# Altium PCB OneBox.PcbDoc (part 11 of 13) (continued)
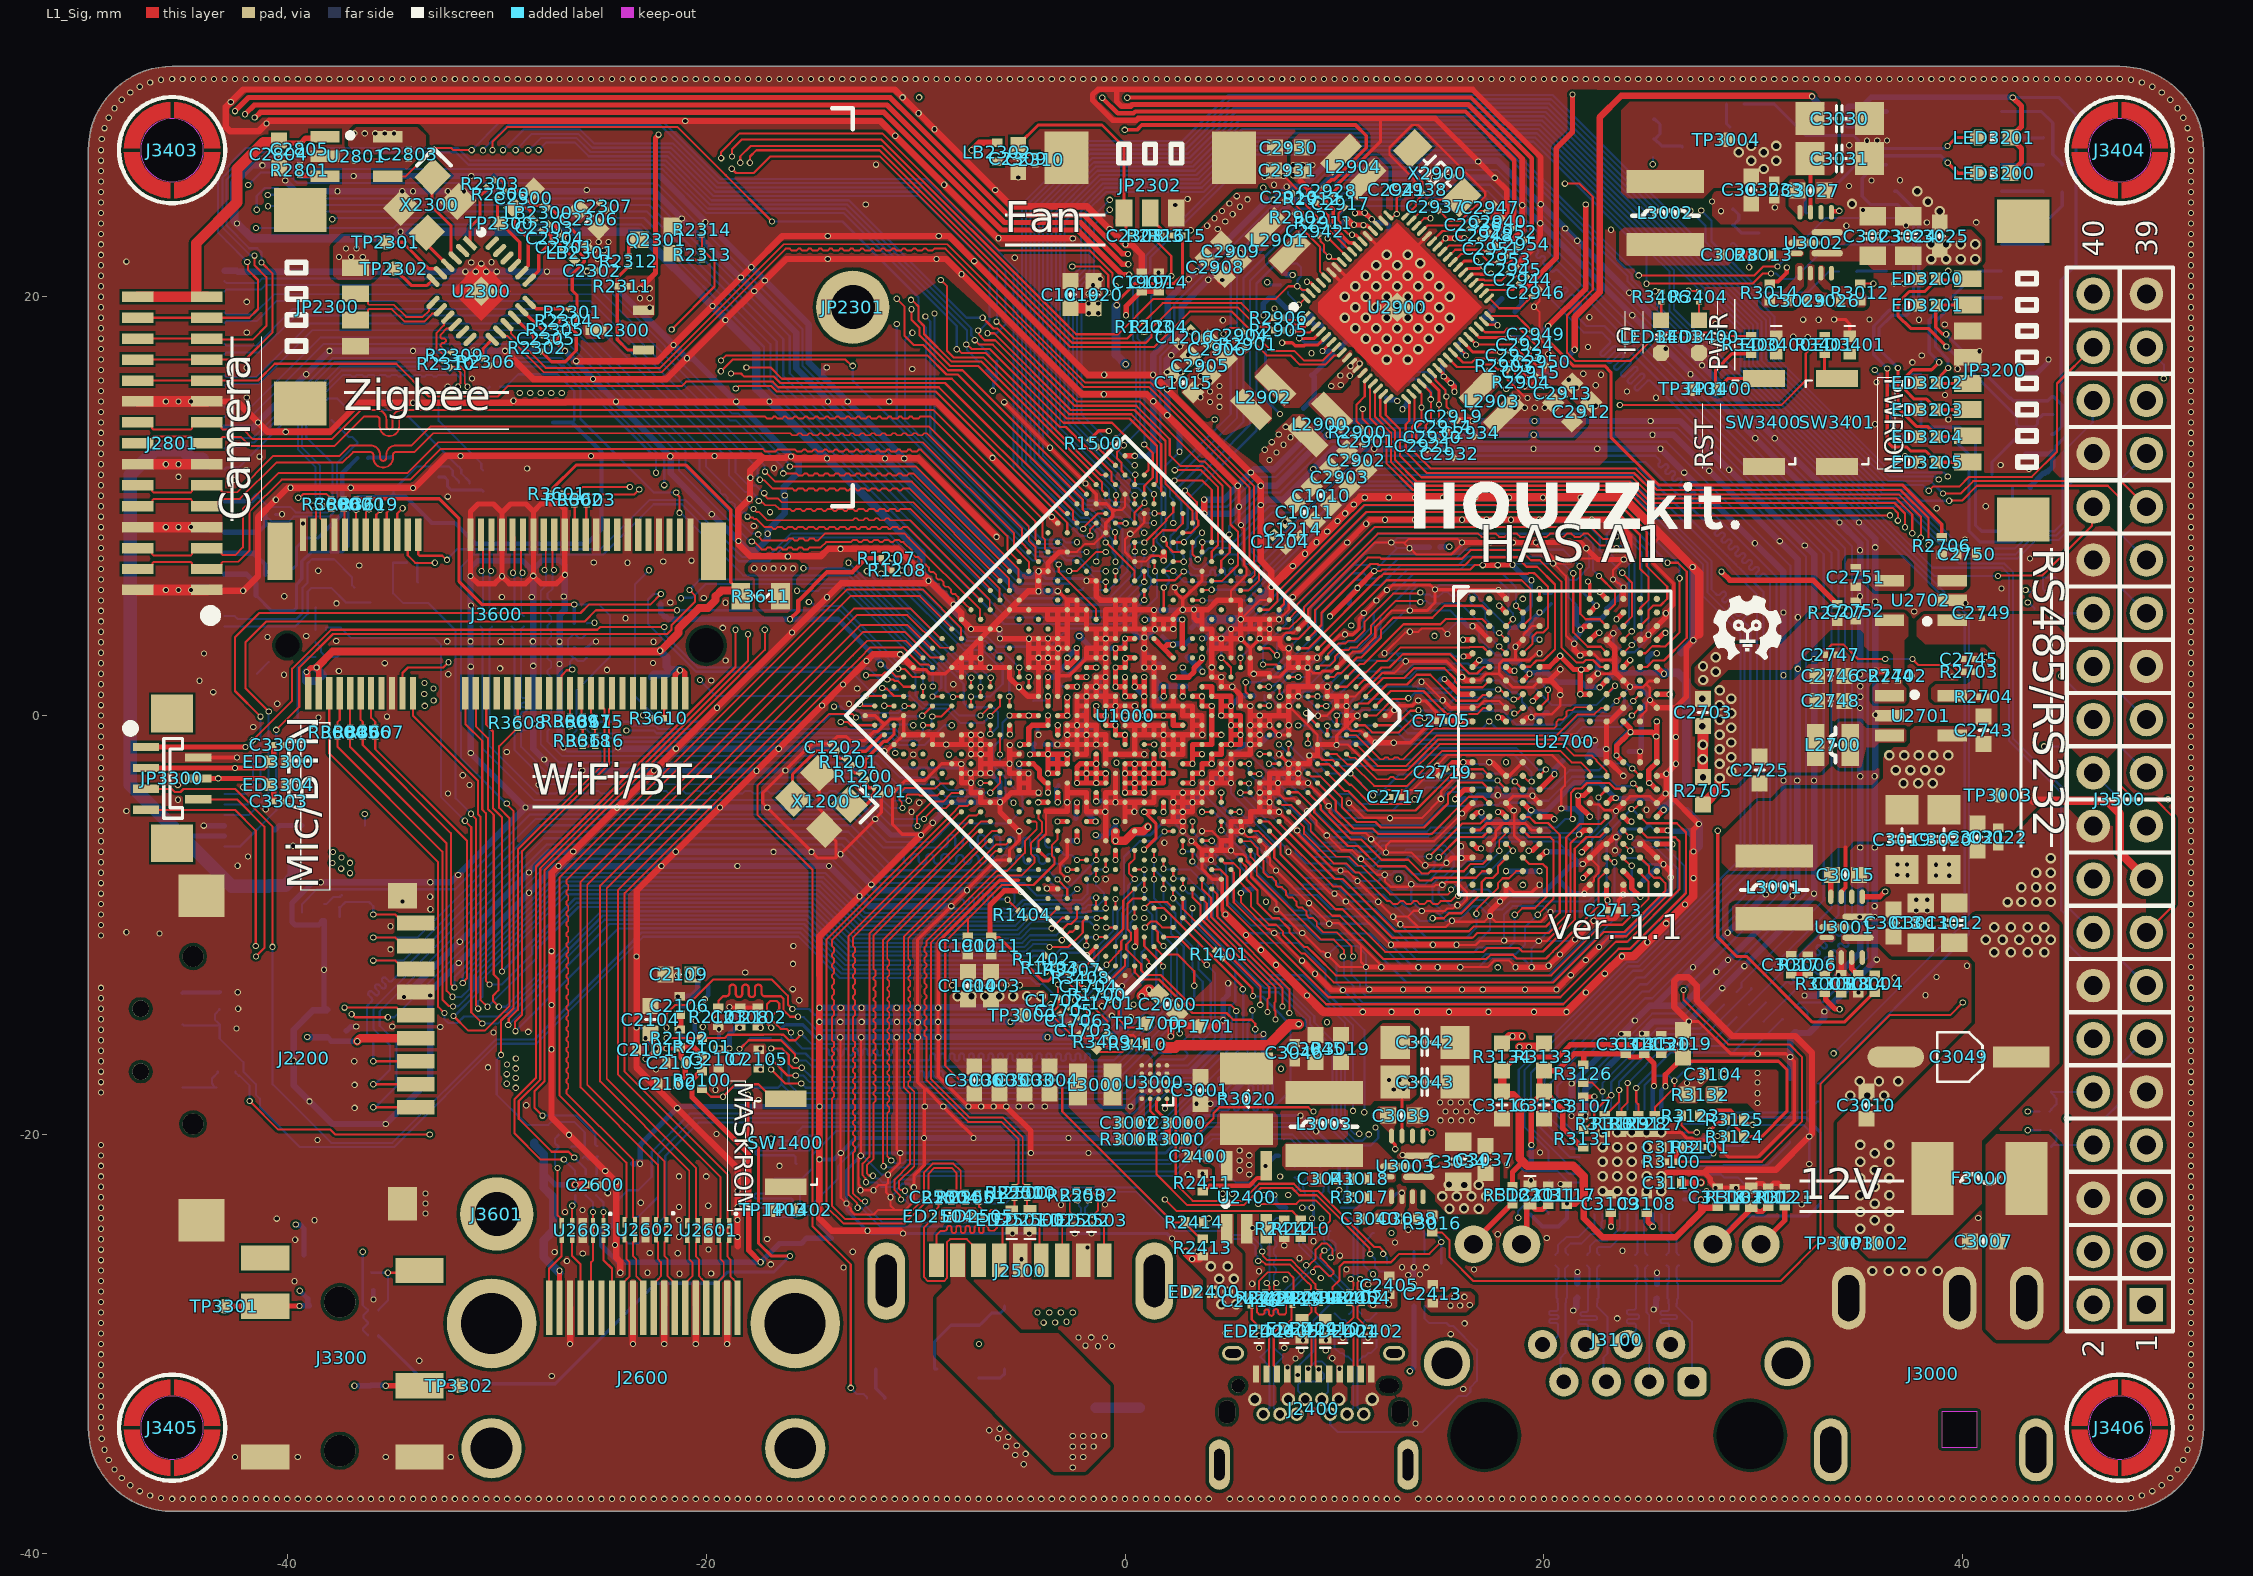
[diagram p0: L1_Sig view]
## Nets (pads, with @x,y where several pads share a name; then routed paths per layer and width w, separated by ;. In a path a pad name is that pad's centre, name@x,y a point inside that pad or via, vN(x,y) a via of type N, cw(c..) or ccw(c..) an arc to the next point about the centre after c; other vN are vias at no path point) (continued)
  L1_Sig w0.254: R3134.2@18,-16.95 18.65,-16.3 20.678,-16.3 21.262,-15.716 25.216,-15.716 25.477,-15.977 25.477,-16.077 25.55,-16.15 25.65,-16.15 25.9,-15.9 26.22,-15.9 C3119.2@26.635,-16.315 25.8,-17.15 v1(25.8,-17.7) ; R3122.2@18.5,-22.475 18.5,-21.8 19,-21.3 ; v1(21.1,-23.3) C3117.2@21.2,-23.3
  L1_Sig w0.305: C3117.2@21.2,-23.3 21.5,-23.3 21.9,-22.9 21.9,-24 22.8,-24.9 26.3,-24.9 27.5,-23.7 ; v1(27.5,-23.1) 27.5,-23.7 ; C3118.2@28.3,-23.45 28.252,-23.498 27.702,-23.498 27.5,-23.7
  L1_Sig w0.406: R3134.2@18,-16.95 C3116.2@18,-17.95 18.178,-18.128 18.53,-18.128 18.848,-18.446 18.848,-21.148 19,-21.3 19.2,-21.5 21.4,-21.5 21.9,-22 21.9,-22.9
  L6_Sig w0.152: R3104.1@19.375,-23.85 R3104.1@19.375,-23.8
  L6_Sig w0.203: R3104.1@19.375,-23.85 19.925,-24.4 20.7,-24.4 21.1,-24 v1(21.1,-23.3) 21.296,-23.104 21.697,-23.104 U3100.11@21.701,-23.101 ; U3100.29@25.6,-18.801 25.6,-17.9 v1(25.8,-17.7) ; U3100.40@26.699,-23.101 v1@27.499,-23.101
VCC3V3_PMU: C1203.2 C1210.2 C2924.2 R1203.2 R1204.2 R1205.2 R1206.2 R1207.2 R1208.2 R2002.2 R2416.1 R2706.1 R2908.2 R3000.2 U1000.W19 U1000.Y20 U2900.31 | length 209.9
  L1_Sig w0.102: R3000.2@2.891,-20.074 3.383,-20.074 4.226,-19.232 4.226,-18.99 4.513,-18.702 8.747,-18.702 8.945,-18.9 v1(9,-18.9) ; C2924.2@18.862,17.877 C2924.2@18.923,17.877
  L1_Sig w0.152: U2900.31@16.642,18.333 16.924,18.05 v1(18.293,18.05) 18.322,18.022 18.674,18.022 18.837,17.859 18.844,17.859 C2924.2@18.862,17.877 ; v1(20.2,18.6) 20.2,17.9 21.4,16.7 22.9,16.7 23.2,16.4 23.2,13.3 25.496,11.004 37.121,11.004 37.123,11.003 37.137,11.003 39,9.14 R2706.1@39,8.525
  L1_Sig w0.203: v1@-15.99,4.61 -15.6,5 -15.6,5.479 -14.229,6.85 -13.026,6.85 -12.364,7.511 R1207.2@-11.639,7.511
  L1_Sig w0.254: v1(-16,4.6) v1@-15.99,4.61 ; R1207.2@-11.639,7.488 -11.639,7.361 -11.233,6.956 -11.132,6.956 -11.13,6.954 R1208.2@-11.13,6.933 ; v1(-5.515,0) U1000.Y20@-5.056,0 v1(-4.596,0) U1000.W19@-4.137,0 ; v1(20.2,18.6) 22,20.4 v1(22,24.4)
  L3_Pow w0.102: v1(-5.33,-4.158) -5.33,-5.03 -5.475,-5.175 -5.475,-7.98 -8.737,-11.242 -8.737,-13.049 -8.555,-13.23 -8.555,-15.145 -7.637,-16.063 6.163,-16.063 12.7,-22.6 12.7,-24.675 v1(12.725,-24.7)
  L4_Sig w0.254: v1(-11.672,2.437) -11.672,3.528 -8.287,6.913 -8.287,15.096 -2.1,21.283 -2.1,22.5 -0.945,23.655 -0.203,23.655 0.094,23.952 1.358,23.952 4.123,26.717 16,26.717 17.523,25.195 19.805,25.195 20.3,24.7 21.7,24.7 v1(22,24.4) ; v1(-5.515,0) -5.515,0.285 -4.155,1.645 -4.155,1.966 -4.19,2 -4.19,2.007 -4.882,2.7 -4.889,2.7 -5.213,3.023 -5.213,5.584 -4.784,6.013 -4.784,13.716 -1.021,17.479 0.069,17.479 v1@0.91,18.321 ; v1(0.917,18.327) v1@0.91,18.321 ; v1@1.576,18.321 v1@0.91,18.321 ; v1(1.599,18.321) 2.528,18.321 3.549,17.3 8.255,17.3 9.8,18.845 9.8,21.1 10.956,22.256 ; v1(8.002,21.04) 9.285,22.322 10.889,22.322 10.956,22.256 ; v1(18.293,18.05) 17.45,18.05 17,18.5 17,19.489 13.864,22.625 11.325,22.625 10.956,22.256
  L6_Sig w0.102: C1203.2@-5.436,-0.08 v1(-5.515,0) -5.849,-0.334 -5.849,-1.049 -6.302,-1.502 -6.302,-2.376 -5.7,-2.979 -5.7,-3.788 v1(-5.33,-4.158)
  L6_Sig w0.152: v1(-11.672,2.437) -11.644,2.408 -11.518,2.408 -11.287,2.178 -10.917,1.807 -10.917,1.782 -10.868,1.734 R2002.2@-10.843,1.734
  L6_Sig w0.254: R1206.2@-22.171,5.317 -22.171,4.912 -21.98,4.721 R1205.2@-22.001,4.721 ; R1205.2@-21.91,4.714 -21.796,4.6 v1(-16,4.6) -13.714,4.6 -11.709,2.595 -11.709,2.486 -11.672,2.449 v1(-11.672,2.437) ; R2908.2@7.497,21.254 7.499,21.254 7.705,21.048 7.993,21.048 v1(8.002,21.04) v1@8.011,21.048 ; v1(18.293,18.05) 19.65,18.05 v1(20.2,18.6)
VCC3V3_SD: C2200.1 C2201.1 C2928.2 J2200.4 U2900.58 | length 105.9
  L1_Sig w0.178: v1(-0.015,27.967) 0.567,27.967 0.8,28.2 11,28.2 11.515,27.685 11.515,27.111 9.989,25.585 9.861,25.585 9.79,25.514 9.768,25.514 C2928.2@9.494,25.24 9.335,25.081 9.335,24.805 9.944,24.196 9.944,23.559 10.046,23.458 10.046,23.229 10.694,22.581 10.811,22.581 10.823,22.569 10.921,22.569 U2900.58@11.091,22.399
  L1_Sig w0.406: v1(-36.666,-15.545) -36.521,-15.4 J2200.4@-33.873,-15.4
  L4_Sig w0.178: v1(-39.05,-15.35) -39.7,-14.7 -39.7,-7.5 -34.545,-2.344 -34.545,6.803 -31.026,10.322 -31.026,15.552 -30.3,16.278 -30.3,19.4 -31.944,21.044 -31.944,27.473 -31.635,27.782 -27.532,27.782 -25.394,25.644 -21.246,25.644 -19.691,27.2 -8.9,27.2 -8.133,27.967 v1(-0.015,27.967)
  L6_Sig w0.254: C2200.1@-38.1,-15.35 -37.9,-15.55 C2201.1@-37.2,-15.55 -37.198,-15.548 -36.669,-15.548 v1(-36.666,-15.545)
  L6_Sig w0.305: v1(-39.05,-15.35) C2200.1@-38.1,-15.35
VCC3V3_SYS: C2600.1 C2743.2 C2749.2 C2900.2 C2907.2 C2911.2 C2914.2 C2915.2 C2916.2 C2917.2 C2918.2 C2940.1 C3019.1 C3020.1 C3021.1 C3022.1 J3500.17 L3001.2 R3404.1 R3611.2 TP3003.1 U2600.B2 U2600.C2 U2701.4 U2702.1 U2900.4 U2900.10 U2900.11 U2900.22 U2900.24 U2900.30 U2900.45 U2900.54 U2900.57 U2900.66 U3001.5 | length 34.9
  L1_Sig w0.102: C2917.2@10.469,24.269 10.201,24 10.185,24 10.185,23.659 10.287,23.558 10.287,23.366 10.654,22.999 10.797,22.999 v1(10.835,22.961) ; U2900.22@14.414,16.106 U2900.22@14.578,15.942 ; v1(14.985,14.854) 14.985,14.155 15.041,14.099 15.041,13.994 C2914.2@15.023,13.977 ; v1(16.205,22.801) 16.212,22.808 16.508,22.808 17.2,23.5 17.336,23.5 17.406,23.43 17.613,23.43 C2940.1@17.63,23.412 ; v1@16.76,17.72 18.374,17.72 18.378,17.724 18.504,17.724 18.546,17.682 19.147,17.08 19.147,16.78 19.234,16.693 19.234,16.588 C2915.2@19.223,16.577 ; v1(26.9,20.3) 26.925,20.275 27.375,20.275 R3404.1@27.4,20.25
  L1_Sig w0.152: v1(8.318,18.013) 9.03,18.013 9.351,18.333 U2900.4@9.358,18.333 ; v1(8.684,20.715) 8.712,20.686 8.836,20.686 9.103,20.419 U2900.66@9.111,20.419 ; v1(10.835,22.961) 10.864,22.932 11.045,22.932 11.311,22.666 U2900.57@11.314,22.666 ; v1(11.78,23.698) 11.78,23.694 U2900.54@11.953,23.52 ; U2900.54@12.031,23.443 U2900.54@12.035,23.443 ; U2900.54@12.035,23.435 U2900.54@12.081,23.389 ; U2900.22@14.578,15.942 14.985,15.535 v1(14.985,14.854) ; U2900.24@14.909,16.601 14.909,16.593 15.189,16.314 15.189,16.224 v1(15.217,16.196) ; U2900.45@14.909,22.399 U2900.45@14.909,22.399 15.3,22.791 v1(15.3,22.793) ; U2900.30@16.394,18.086 v1(16.756,17.724)
  L1_Sig w0.203: U3001.5@34.2,-8.65 34.2,-8.411 34.4,-8.211 34.4,-6.3
  L1_Sig w0.254: v1(10.976,23.992) 10.983,23.999 11.441,23.999 v1(11.448,24.006) 11.46,24.006 11.768,23.698 v1(11.78,23.698) ; v1(15.217,16.196) 15.227,16.196 15.542,15.881 v1(15.553,15.881) ; v1(15.3,22.793) 15.302,22.795 15.751,22.795 v1(15.753,22.797) 15.755,22.799 16.203,22.799 v1(16.205,22.801) ; v1@15.556,15.873 15.556,15.865 15.723,15.698 15.723,15.474 v1(15.732,15.465)
  L1_Sig w0.406: v1(-26.25,-22.4) v1(-25.75,-22.4) C2600.1@-25.55,-22.4 ; 43.359,-4.066 46.885,-4.066 47.494,-4.675 47.494,-6.534 J3500.17@48.77,-7.81
  L6_Sig w0.152: v1@8.347,18.042 v1(8.318,18.013) 8.359,18.013 8.572,17.8 9.425,17.8 C2916.2@9.794,18.169
  L6_Sig w0.254: v1(-26.25,-22.4) v1(-25.75,-22.4) ; v1(10.976,23.992) 10.983,23.999 11.441,23.999 v1(11.448,24.006) 11.46,24.006 11.768,23.698 v1(11.78,23.698) ; v1@11.776,23.69 11.801,23.69 11.964,23.526 12.463,23.526 12.6,23.389 C2918.2@12.6,23.05 ; C2911.2@15.16,16.84 15.16,16.266 15.217,16.208 v1(15.217,16.196) 15.227,16.196 15.542,15.881 v1(15.553,15.881) ; v1(15.3,22.793) 15.302,22.795 15.751,22.795 v1(15.753,22.797) 15.755,22.799 16.203,22.799 v1(16.205,22.801) ; v1@15.616,15.873 15.723,15.766 15.723,15.474 v1(15.732,15.465)
  other v1: -17.709,7.038 -17.24,7.04 -16.781,7.031 -16.327,7.038 -15.85,7.03 9.849,15.734 10.303,15.783 10.282,16.235 10.734,16.232 10.768,16.687 11.202,16.816
  other v2: 37.169,-3.235 37.869,-3.235 38.569,-3.235 36.8,-2.6 37.5,-2.6 38.2,-2.6 38.9,-2.6 36.5,-1.9 37.2,-1.9 37.9,-1.9 38.6,-1.9 39.3,-1.9
VCC3V3_UART: C3202.2 C3205.2 LED3200.1 LED3201.1 R3200.2 R3203.2 R3206.2 U3200.16 U3201.8 | length 39.3
  L1_Sig w0.254: LED3200.1@42.277,25.9 42.8,26.423 42.8,27.077 LED3201.1@42.277,27.6 42.8,28.123 42.8,29.1 v1(42.382,29.518)
  L6_Sig w0.152: v1(42.382,29.518) 44.582,29.518 45.4,28.7 45.4,21.5 44.7,20.8 44.7,15.526 44.983,15.243 44.983,13.407 44.7,13.124 44.46,12.884 44.46,12.699 44.336,12.575 R3206.2@44.3,12.575
  L6_Sig w0.254: U3200.16@36.348,28.845 35.848,28.845 35.153,28.15 C3202.2@34.5,28.15 34.5,29.05 R3200.2@34.55,29.1 35.2,29.1 35.618,29.518 v1(42.382,29.518) ; U3201.8@43,12.495 44.17,12.495 44.25,12.575 R3206.2@44.3,12.575 44.3,11.9 44.05,11.65 C3205.2@44,11.65 43.927,11.577 43.852,11.577 43.225,10.95 R3203.2@43.225,10.9
VCC3V3_WF: C3603.1 C3604.1 C3605.1 C3606.1 J3600.2 J3600.4 J3600.72 J3600.74 R3601.1 R3611.1 R3616.2 R3618.2 | length 53.7
  L1_Sig w0.152: R3601.1@-27.35,10.6 -27.317,10.633 -27.317,10.861 -26.217,11.961 -20.961,11.961 -18.829,9.829 -18.829,6.369 -18.718,6.259 -18.534,6.075 -18.35,5.89 R3611.1@-18.35,5.7 ; R3618.2@-25.893,-1.458 R3616.2@-25.293,-1.458 -25.293,-1.422 v1(-25.263,-1.392)
  L1_Sig w0.254: J3600.2@-39,1.075 -39.023,1.098 -39.023,2.009 -39.084,2.071 v1(-39.084,2.084) -39.072,2.084 -38.865,2.291 -38.609,2.291 v1(-38.6,2.3) -38.5,2.2 J3600.4@-38.5,1.7 ; J3600.4@-38.523,1.723 J3600.4@-38.5,1.7 ; J3600.4@-38.5,1.075 J3600.4@-38.5,1.7 ; J3600.72@-21.5,1.075 -21.477,1.098 -21.477,1.946 v1(-21.256,2.166) -21.248,2.158 -21.119,2.158 -21.023,2.062 -21.023,1.098 J3600.74@-21,1.075
  L1_Sig w0.381: v1(-38.6,2.3) -37.85,3.05 -22.25,3.05 v1(-22.2,3.1) ; v1@-22.193,3.1 -22.166,3.1 -21.319,3.947 -21.319,4.16 -20.336,5.142 -19.925,5.142 -19.546,5.521 -19.546,5.703 -19.27,5.979 -18.629,5.979 R3611.1@-18.35,5.7
  L4_Sig w0.152: v1(-25.263,-1.392) -25.263,-0.966 -24.973,-0.675 -24.973,-0.668 -24.658,-0.353 -22.217,-0.353 -21.256,0.607 v1(-21.256,2.166)
  L6_Sig w0.381: v1(-39.084,2.084) -39.1,2.069 C3606.1@-39.1,1.65 -39.09,1.66 -38.59,1.66 -38.302,1.948 -38.297,1.948 -38.6,2.25 v1(-38.6,2.3) ; C3605.1@-22.6,1.85 -22.49,1.96 -21.89,1.96 C3603.1@-21.7,2.15 ; v1(-22.2,3.1) -21.89,2.79 -21.89,2.341 C3603.1@-21.7,2.15 ; v1(-21.256,2.166) -21.684,2.166 C3603.1@-21.7,2.15
VCC5V0_SYS: C3001.2 C3042.1 C3043.1 C3045.1 C3046.1 J3500.2 J3500.4 L3003.2 R3019.1 R3020.1 U3000.D1 U3000.D2 U3000.E1 U3000.E2 U3003.5 | length 3.5
  L1_Sig w0.152: C3043.1@12.589,-17.8 12.773,-17.8 v1(12.828,-17.855) ; U3003.5@13.226,-20.073 13.226,-18.181 12.9,-17.855 C3043.1@12.9,-17.5 12.965,-17.5 v1(13.296,-17.831)
  other v1: 12.6,-17.4 13.1,-17.4 13.6,-17.4
VCC5V0_USB: C2400.2 C2413.2 C2502.2 D2600.1 LB2900.1 Q2300.2 R2311.1 R3020.2 U2400.5 U2402.12 U2402.13 U2500.5 | length 64.2
  L1_Sig w0.254: v1(-23.152,20.397) -22.417,21.131 -22.417,27.583 -22.273,27.727 v1(-22.273,27.74) ; v1(18.95,20.017) 18.959,20.026 18.959,20.223 20.582,21.847 20.582,27.082 21.361,27.861 v1(21.361,29.652)
  L3_Pow w0.254: v1(-9.833,29.52) -9.833,29.532 -9.436,29.929 5.818,29.929 6.094,29.652 v1(21.361,29.652)
  L4_Sig w0.254: v1(-22.273,27.74) -20.084,29.929 -10.242,29.929 v1(-9.833,29.52)
  L6_Sig w0.254: LB2900.1@18.618,19.282 18.618,19.299 18.941,19.622 18.941,20.009 v1(18.95,20.017)
  other v1: -3.888,-28.984 -3.338,-28.981 -2.792,-28.943 -4.181,-28.505 -3.619,-28.499 -3.064,-28.496 -2.5,-28.5 15.539,-28.174 16,-28.165 16.455,-28.146 16.201,-27.754 15.742,-27.746 5.931,-21.91 5.473,-21.709 5.927,-21.453 5.471,-21.24 5.928,-20.997 5.47,-20.77 -29.09,-17.775 -29.519,-17.581 -29.092,-17.308 -29.521,-17.119 -29.09,-16.844 -29.516,-16.656 -29.089,-16.374 -22.698,19.471 -23.165,19.924 -22.698,19.924 -22.7,20.4
VCC5V0_USB30_HOST1: C2503.2 C2504.2 C2505.2 C2506.2 ED2506.1 J2500.1 R2509.1 U2500.1 | length 2.1
  L6_Sig w0.508: C2504.2@-1.4,-33.05 C2505.2@0.7,-33.05
  other v1: -2.5,-35.9 -2.5,-35.4 -2,-35.4 -2.5,-34.9 -2,-34.9 -1.5,-34.9 -2.5,-34.4 -2,-34.4 -1.5,-34.4 -1,-34.4
VCC5V_HDMI_TX: D2600.2 ED2600.1 J2600.18 U2600.A2 | length 10.1
  L1_Sig w0.102: v1(-27.003,-26.507) v1(-27.003,-26.507) ; J2600.18@-27.001,-28.264 J2600.18@-27,-28.265
  L1_Sig w0.254: J2600.18@-27.001,-28.264 v1(-27.003,-26.507)
  L6_Sig w0.102: v1(-27.003,-26.507) ED2600.1@-27.003,-26.452
  L6_Sig w0.254: -27.7,-21.9 -27.2,-22.4 U2600.A2@-26.75,-22.4 ; v1(-27.003,-26.507) v1(-27.003,-26.507)
  L6_Sig w0.406: D2600.2@-28.2,-20.4 -28.2,-20.497 -27.762,-20.935 -27.762,-22.533 -27.3,-22.996 -27.3,-24.6 -27.762,-25.062 -27.762,-25.85 ED2600.1@-27.01,-26.602
VCC5V_P: C2302.2 C2306.2 C2307.2 JP2300.1 LB2301.2 LB2302.2 Q2300.3 | length 3.5
  L1_Sig w0.305: v1(-7.325,26.993) -6.969,27.35 LB2302.2@-6.1,27.35
  L3_Pow w0.305: -8.988,25.833 -7.827,26.993 v1(-7.325,26.993)
  other v1: -25.178,21.799 -37.528,21.899 -36.954,21.896 -36.4,21.9 -24.889,22.21 -25.361,22.225 -37.2,22.3 -36.7,22.3 -25.623,22.617 -25.136,22.617 -24.661,22.613
VCC12V_DC_IN: C3007.2 F3000.1 J3000.1 R3003.2
VCC12V_DCIN: C3009.2 C3010.2 C3011.1 C3012.1 C3013.1 C3023.1 C3024.1 C3025.1 C3034.1 C3035.1 C3037.1 C3049.1 D3000.2 F3000.2 TP3002.1 U3001.1 U3002.1 U3003.1
  other v2: 35.1,-24.5 36.5,-24.5 35.8,-24.1 35.1,-23.7 36.5,-23.7 15.492,-23.542 16.89,-23.543 16.183,-23.531 35.8,-23.3 15.143,-22.96 15.843,-22.96 16.543,-22.96 17.243,-22.96 35.1,-22.9 36.5,-22.9 35.8,-22.5 15.464,-22.393 16.191,-22.409 16.895,-22.408 35.1,-22.1 36.5,-22.1 35.8,-21.7 35.1,-21.3 36.5,-21.3 35.8,-20.9 35.1,-20.5 36.5,-20.5 41.5,-11.3 42.3,-11.3 43.1,-11.3 43.9,-11.3 41.1,-10.7 41.9,-10.7 42.7,-10.7 43.5,-10.7 44.2,-10.7 41.5,-10.1 42.3,-10.1 43.1,-10.1 43.9,-10.1 38.5,21.8 39.2,21.8 39.9,21.8 40.6,21.8 38.5,22.5 39.2,22.5 39.9,22.5 40.6,22.5
VCC_1P8A: C2948.1 U2900.44 | length 2.1
  L1_Sig w0.102: U2900.44@15.157,22.152 15.178,22.152 15.48,22.454 16.681,22.454 C2948.1@17.008,22.781
VCC_1P8D: C2947.1 U2900.48 | length 3.5
  L1_Sig w0.102: U2900.48@14.167,23.142 14.18,23.142 14.439,23.4 16.1,23.4 16.79,24.09 17.249,24.09 C2947.1@17.267,24.072
VCC_1V8: C1402.2 C1708.2 C2930.1 C2931.1 L2904.2 R1402.1 R1403.1 R1601.2 R2001.1 R2912.1 R3133.1 R3402.2 R3612.2 R3619.1 R3620.1 U1000.H20 U1000.J21 | length 225.1
  L1_Sig w0.102: v1(-41.8,-18.4) -40.433,-19.767 -37.94,-19.767 -37.707,-20 v1(-33.2,-20) ; R1402.1@-3.803,-11.455 R1403.1@-3.4,-11.857 -3.382,-11.875 -3.103,-11.875 -3.023,-11.795 v1(-2.97,-11.795) ; 8.357,25.543 C2931.1@8.357,25.833 ; C2931.1@8.454,26.072 8.454,26.253 v1(8.485,26.285)
  L1_Sig w0.152: R3620.1@-36.7,10.35 R3619.1@-36.1,10.35 -32.75,10.35 -31.8,9.4 -31.8,6.4 -30.7,5.3 v1(-26.3,5.3)
  L1_Sig w0.254: 8.357,25.543 8.765,25.135 R2912.1@8.765,24.855 ; C2931.1@8.357,25.833 8.357,25.979 C2931.1@8.417,26.039
  L1_Sig w0.406: U1000.J21@-0.456,-5.547 -0.46,-5.551 v1(-0.46,-5.975) 0,-5.975 U1000.H20@0.46,-5.515 0.879,-5.515 v1(1.09,-5.305) ; v1(18.831,-15.822) v1(19.284,-15.822) 19.827,-15.822 R3133.1@20,-15.65
  L4_Sig w0.102: v1(-33.2,-20) -27.6,-20 -26.103,-18.503 -26.103,-8.428 -25.136,-7.461 -25.136,-2.42 v1(-26.52,-1.035)
  L4_Sig w0.254: -3.59,-9.11 -4.8,-10.32 -4.8,-11.857 -4.022,-12.635 -3.591,-12.635 -3.156,-12.2 -2.564,-12.2 ; v1@-2.97,-11.807 v1(-2.97,-11.795) ; -2.462,-9.11 -1.574,-8.222 -0.602,-8.222 -0.413,-8.033 -0.413,-7.536 0.1,-7.024 0.1,-6.535 0,-6.435 v1(-0.46,-5.975) ; v1(8.014,25.799) 8.023,25.808 v1(8.023,26.282)
  L4_Sig w0.305: v1(1.09,-5.305) 1.378,-5.017 1.378,-4.422 2.636,-3.164 2.636,-1.264 3.227,-0.673 3.227,1.341 3.7,1.813 v1(3.7,2.1)
  L4_Sig w0.33: -5.1,-7.6 -3.59,-9.11 -2.462,-9.11
  L4_Sig w0.406: -5.1,-7.6 -5.467,-7.6 -10.973,-2.094 v1(-10.973,-1.788) -10.973,0.214 -11.013,0.255 -11.013,1.213 -10.1,2.127 -10.1,4.489 -7.855,6.734 -7.855,14.917 -1.668,21.104 -1.668,21.579 0.272,23.52 1.536,23.52 1.916,23.9 2.9,23.9 5.286,26.286 8.023,26.286 8.024,26.285 v1(8.485,26.285) 8.502,26.285 8.503,26.286 v1(8.938,26.286) 15.814,26.286 32.933,9.167 33.535,8.565 33.535,-4.676 22.389,-15.822 v1(19.284,-15.822) v1(18.831,-15.822) ; v1(-2.97,-11.795) -2.564,-12.2 -1.298,-12.2 -0.655,-12.843 -0.655,-13.427 -0.282,-13.8 v1(0.4,-13.8)
  L6_Sig w0.102: R3402.2@-42.475,-17 -42.475,-17.05 -42.326,-17.199 -42.276,-17.199 -41.8,-17.675 v1(-41.8,-18.4) ; v1(-26.3,5.3) -25.1,5.3 -24.6,4.8 -24.6,2.8 -26.188,1.212 -26.188,-0.703 v1(-26.52,-1.035) -26.494,-1.061 -24.222,-1.061 -24.036,-1.247 -11.341,-1.247 -10.999,-1.589 -10.999,-1.761 v1(-10.973,-1.788)
  L6_Sig w0.152: R3612.2@-26.3,4.4 v1(-26.3,5.3)
  L6_Sig w0.254: C1708.2@-0.46,-5.961 v1(-0.46,-5.975) -0.429,-5.975 -0.398,-5.944 0.131,-5.944 C1402.2@0.133,-5.942
  L6_Sig w0.305: R1601.2@3.001,2.799 v1(3.7,2.1)
VCC_3_3V: LB2300.2 R2300.2 R2301.1 R2302.1 R2303.1 R2304.1 | length 14
  L1_Sig w0.152: R2303.1@-30.141,25.664 -30.141,25.595 -30.106,25.559 -30.037,25.559 -30.019,25.577 -29.777,25.577 -29.641,25.441 -29.641,25.094 -29.606,25.059 -28.959,25.059 -28.253,24.353 -27.717,24.353 LB2300.2@-27.682,24.318 -27.518,24.318 -26.178,22.978 -26.179,22.977 -26.179,22.228 -25.823,21.872 -25.823,21.665 -26.4,21.088 -26.4,20.3 -26.167,20.067 -26.167,19.182 -26.168,19.181 -26.168,19.112 -26.203,19.076 -26.203,18.797 -26.313,18.687 -26.592,18.687 R2304.1@-26.61,18.67 -26.2,18.26 -26.2,17.432 -26.732,16.9 -27.386,16.9 R2302.1@-27.883,17.397
VCC_3V3: C1500.2 C1700.2 C1901.2 C1908.2 C2107.1 C2108.1 C2109.1 C2929.2 R1500.1 R1501.1 R1502.1 R2315.1 R3134.1 R3200.1 R3305.2 U1000.M23 U1000.P10 U1000.V10 U1000.V11 U1000.V12 U2100.E6 U2100.F5 U2100.J10 U2100.K9 U2900.55 | length 284.2
  L1_Sig w0.152: v1(-18,-18.1) -18,-20.152 -17.495,-20.657 -17.495,-25.205 -16.9,-25.8 v1(-16,-25.8) ; R1500.1@-1.677,13.177 -1.253,13.601 -0.785,13.601 v1(-0.773,13.589) ; v1(-0.4,19.6) -0.371,19.629 -0.371,19.781 0.053,20.204 0.488,20.639 2.351,20.639 2.75,21.038 R2315.1@2.75,22.924
  L1_Sig w0.178: v1@11.384,23.421 v1(11.385,23.42) 11.409,23.397 11.556,23.397 11.6,23.352 11.621,23.352 11.643,23.33 11.831,23.144 U2900.55@11.833,23.144
  L1_Sig w0.203: v1@-18.919,-15.919 v1(-18.9,-15.9)
  L1_Sig w0.254: v1(-20.9,-12.4) -20.8,-12.5 v1(-20.4,-12.5) ; C2107.1@-19.4,-15.95 -19.4,-15.931 v1(-19.371,-15.902) ; C2107.1@-19.352,-15.902 -19.345,-15.909 -18.921,-15.909 v1@-18.915,-15.915 ; v1(-3.228,-5.057) U1000.M23@-2.768,-5.057 ; U1000.V12@-0.46,2.758 v1(-0.46,3.217) U1000.V11@0,3.217 v1(0,3.677) U1000.V10@0.46,3.677 ; v1(2.298,1.838) 3.042,1.838 3.293,2.09 3.293,2.268 3.668,2.643 3.668,2.749 v1(3.677,2.758) ; v1(10.931,23.436) 10.94,23.427 10.958,23.427 10.964,23.421 v1@11.384,23.421
  L1_Sig w0.305: v1(10.576,23.717) 10.857,23.436 v1(10.931,23.436) ; v1(21.466,17.466) 21.466,19.029 22.658,20.221 22.658,28.558 23.7,29.6 32.77,29.6 v1(32.803,29.567)
  L1_Sig w0.406: R3134.1@18.04,-15.61 18.335,-15.314 v1(18.952,-15.314)
  L1_Sig w0.508: v1@1.786,-15.732 1.9,-15.846 2.403,-15.846 2.517,-15.732 6.857,-15.732 7.853,-14.736 8.067,-14.736 8.071,-14.732 v1(8.297,-14.732) ; R3134.1@18.04,-15.777 R3134.1@18.04,-15.61
  L4_Sig w0.254: v1(-19.371,-15.902) -19.369,-15.9 v1(-18.9,-15.9) ; v1@3.686,2.779 4.19,3.283 4.19,3.918 11.095,10.823 11.472,11.2 15,11.2 18.2,14.4 v1(18.2,15.6)
  L4_Sig w0.356: v1(10.576,23.717) 10.857,23.436 v1(10.931,23.436)
  L4_Sig w0.406: v1(-20.9,-12.4) -20.8,-12.5 -19.6,-12.5 -18.4,-13.7 v1(-18.4,-14.9) ; v1(-3.228,-5.057) -4.171,-6 -6.182,-6 -9.1,-3.082 -9.1,-0.625 -8.7,-0.225 -8.7,4.1 -7.347,5.453 -7.347,14.484 v1(-6.317,15.514) -3.101,18.731 -1.081,18.731 -0.74,19.071 -0.74,19.26 v1(-0.4,19.6) 6.487,19.6 6.799,19.913 7.064,19.913 7.519,20.368 7.519,21.325 9.911,23.717 v1(10.576,23.717) ; -2.631,11.731 -2.8,11.561 ; v1(-2.184,3.797) -2.4,4.013 -2.4,5.951 -2.966,6.517 -3.148,6.517 -3.644,7.013 -3.644,7.091 -3.649,7.096 -3.649,8.364 -2.8,9.214 -2.8,11.561 ; v1(0.033,16.773) 0.061,16.773 0.5,16.334 0.5,14.861 v1(-0.773,13.589) -2.8,11.561 ; v1(8.297,-14.732) 8.321,-14.732 9.189,-15.6 18.214,-15.6 v1(18.5,-15.314) 22.178,-15.314 30.732,-6.761 30.732,6.468 23.1,14.1 23.1,15.831 23.213,15.944 23.213,16.492 22.805,16.9 22.031,16.9 v1(21.466,17.466) 21.466,18.134 20.517,19.083 20,19.083 19.959,19.042 18.058,19.042 13.884,23.216 11.58,23.216 v1@11.375,23.42 ; v1(10.931,23.436) 11.369,23.436 v1(11.385,23.42)
  L4_Sig w0.508: v1(-18.4,-14.9) -19.371,-15.871 v1(-19.371,-15.902) -20.1,-16.631 -20.1,-18.9 -19.832,-19.168 ; v1(-18,-18.1) -18.345,-18.1 -19.413,-19.168 -19.832,-19.168 ; v1(1.796,-15.722) 0.782,-16.737 -10.321,-16.737 -13.02,-19.436 -19.564,-19.436 -19.832,-19.168
  L6_Sig w0.152: R3305.2@-35.65,-29.6 -35.65,-29.625 -35.601,-29.674 -35.576,-29.674 -33.35,-31.9 -27.2,-31.9 -22.4,-27.1 -19.5,-27.1 -18.962,-26.562 -16.762,-26.562 v1(-16,-25.8) ; R1501.1@-6.6,16.5 -6.283,16.183 -6.141,16.183 ; v1(-6.317,15.514) -6.288,15.544 -6.288,15.883 -6.141,16.031 -6.141,16.183 ; R1502.1@-6.123,16.923 -6.141,16.905 -6.141,16.183
  L6_Sig w0.254: U2100.K9@-20.9,-13.4 -20.717,-13.4 -20.4,-13.083 U2100.J10@-20.4,-12.9 v1(-20.4,-12.5) ; v1(-20.9,-12.4) -20.81,-12.49 -20.41,-12.49 v1(-20.4,-12.5) ; v1(-19.371,-15.902) -19.37,-15.901 -18.901,-15.901 v1(-18.9,-15.9) U2100.F5@-18.9,-15.4 -18.891,-15.391 -18.891,-15.203 -18.597,-14.909 -18.409,-14.909 v1(-18.4,-14.9) ; v1(-2.184,3.797) -1.604,3.217 v1(-0.46,3.217) -0.451,3.226 -0.174,3.226 0,3.4 v1(0,3.677) C1700.2@0.01,3.667 ; C2929.2@10.42,22.42 10.42,22.591 10.072,22.939 10.072,23.231 10.086,23.231 10.572,23.717 v1(10.576,23.717) ; v1@10.583,23.696 10.595,23.708 10.646,23.708 10.918,23.436 v1(10.931,23.436) 10.94,23.427 11.195,23.427 11.208,23.415 11.38,23.415 v1(11.385,23.42) ; v1(18.2,15.6) 18.9,16.3 20.3,16.3 v1(21.466,17.466)
  L6_Sig w0.305: v1(32.803,29.567) 32.803,29.547 R3200.1@33.25,29.1
  L6_Sig w0.406: v1(-2.184,3.797) v1@-2.169,3.812 ; v1(-0.4,19.6) -0.433,19.567 -0.433,17.239 v1(0.033,16.773)
VCC_5V_S: C3039.1 R2909.1 R3004.2 U3003.6 | length 86.3
  L1_Sig w0.152: U3003.6@12.725,-20.073 12.725,-20.325 12.9,-20.499 v1(12.9,-20.7) ; v1(28.3,-5.5) 28.3,-9.9 28.3,-10.592 29.208,-11.5 29.684,-11.5 32.821,-14.637 34.338,-14.637 35.75,-13.225 R3004.2@35.8,-13.225
  L3_Pow w0.152: v1(7.4,14.4) 7.64,14.64 10.559,14.64 10.924,15.006 11.494,15.006 12.833,13.667 15.269,13.667 17.694,16.092 19.821,16.092 27.7,8.213 27.7,6.3 29.5,4.5 29.5,-4.3 v1(28.3,-5.5) 28.3,-8 23.4,-12.9 22.89,-12.9 21.217,-14.573 13.676,-14.573 11.824,-16.425 11.824,-17.924 12.9,-19 v1(12.9,-20.7)
  L6_Sig w0.152: R2909.1@6.7,17.375 6.7,15.1 v1(7.4,14.4)
VCC_CPVDD: C2945.1 U2900.38 | length 1.8
  L1_Sig w0.102: U2900.38@16.687,20.712 16.784,20.809 16.936,20.809 16.937,20.81 17.138,20.81 17.178,20.77 17.97,20.77 C2945.1@18.323,21.123
VCC_CPVSS: C2946.1 U2900.35 | length 2.5
  L1_Sig w0.102: U2900.35@17.384,19.924 17.859,19.449 18.849,19.449 C2946.1@19.458,20.058
VCC_CSI_CAM: C2804.1 C2805.1 J2801.15 U2801.1 | length 15.1
  L1_Sig w0.254: C2804.1@-40.4,27.45 -40.292,27.342 -39.354,27.342 -39.126,27.57 -38.28,27.57 U2801.1@-38.2,27.65
  L1_Sig w0.508: J2801.15@-47.15,20 J2801.15@-44.342,20 ; J2801.15@-43.85,20 J2801.15@-44.342,20 ; C2804.1@-40.4,27.45 -40.487,27.363 -41.137,27.363 -42.4,26.1 -42.4,24.5 -44.342,22.558 J2801.15@-44.342,20
VCC_DDR: C1100.2 C1101.2 C1102.2 C1103.2 C1104.2 C2701.2 C2702.2 C2703.2 C2704.2 C2705.2 C2706.2 C2707.2 C2708.2 C2709.2 C2710.2 C2711.2 C2712.2 C2713.2 C2714.2 C2715.2 C2716.2 C2717.2 C2718.2 C2719.2 C2720.2 C2721.2 C2722.2 C2912.2 C2913.2 L2903.1 R1100.2 R2705.2 R2903.2 U1000.H9 U1000.H11 U1000.H12 U1000.H14 U1000.H15 U1000.J9 U1000.L9 U1000.M9 U2700.A4 U2700.A9 U2700.AB4 U2700.AB9 U2700.F5 U2700.F8 U2700.H1 U2700.H5 U2700.H8 U2700.H12 U2700.K1 U2700.K3 U2700.K10 U2700.K12 U2700.N1 U2700.N3 U2700.N10 U2700.N12 U2700.R1 U2700.R5 U2700.R8 U2700.R12 U2700.U5 U2700.U8 U2900.26 | length 50
  L1_Sig w0.102: U2900.26@15.404,17.096 15.852,16.648 16.883,16.648 16.998,16.763 17.537,16.763 17.777,16.523 18.136,16.523 18.154,16.506 R2903.2@18.259,16.506 ; R2903.2@18.277,16.523 R2903.2@18.259,16.506 ; 19.07,15.251 19.049,15.251 18.259,16.041 R2903.2@18.259,16.506
  L1_Sig w0.254: U1000.H15@2.758,-3.217 v1(3.217,-3.217) U1000.H14@3.217,-2.758 v1(3.677,-2.758) 3.677,-2.298 v1(4.137,-2.298) U1000.H12@4.137,-1.838 4.596,-1.838 U1000.H11@4.596,-1.379 v1(5.056,-1.379) ; U1000.M9@3.677,1.379 4.137,1.379 U1000.L9@4.137,0.919 4.596,0.919 ; v1(15.25,1.75) 15.976,1.024 U2700.H1@16.592,1.024 ; C2719.2@15.352,-2.535 15.651,-2.236 16.127,-2.236 16.137,-2.226 v1(16.149,-2.226) U2700.N1@16.592,-2.226 ; C2705.2@15.375,-0.244 15.375,-0.251 15.377,-0.253 15.988,-0.253 v1(15.997,-0.262) ; v1(15.758,-3.989) 16.211,-3.535 16.583,-3.535 U2700.R1@16.592,-3.526 ; v1@16.001,-0.252 16.021,-0.271 16.587,-0.271 U2700.K1@16.592,-0.276 ; v1(17.806,-0.083) 17.816,-0.093 17.996,-0.093 18.179,-0.276 U2700.K3@18.192,-0.276 ; v1(18.992,-8.083) U2700.AB4@18.992,-8.076 ; v1(19.467,0.699) U2700.H5@19.792,1.024 ; U2700.U5@19.792,-4.826 20.351,-4.826 20.476,-4.952 v1(20.49,-4.952) ; U2700.R5@19.792,-3.526 19.792,-3.519 20.5,-2.811 v1(20.5,-2.8) ; U2700.F5@19.792,2.324 19.8,2.332 20.254,2.332 v1(20.775,2.853) ; v1@20.781,2.833 20.784,2.836 20.791,2.836 21.423,2.205 21.771,2.205 v1(21.78,2.195) ; v1(21.732,1.024) U2700.H8@22.192,1.024 ; v1@21.732,1.037 21.732,2.133 21.78,2.181 v1(21.78,2.195) ; U2700.R8@22.192,-3.526 21.901,-3.817 v1(21.624,-3.817) 21.632,-3.826 21.632,-4.267 v1(22.192,-4.826) U2700.U8@22.2,-4.818 ; U2700.F8@22.192,2.324 22.185,2.324 22.066,2.205 21.79,2.205 v1(21.78,2.195) ; U2700.U8@22.207,-4.84 U2700.U8@22.207,-4.826 ; v1(22.667,5.898) U2700.A9@22.992,5.574 ; U2700.AB9@22.992,-8.076 22.992,-8.76 23.036,-8.804 v1(23.036,-8.818) 23.036,-8.832 23.048,-8.844 23.048,-9.298 C2713.2@23.05,-9.3 ; U2700.N10@23.792,-2.226 v1(23.467,-1.902) 23.476,-1.892 23.476,-1.424 23.742,-1.158 23.751,-1.158 24.12,-0.789 v1(24.134,-0.789) ; U2700.K10@23.792,-0.276 23.792,-0.283 24.124,-0.616 24.124,-0.78 v1(24.134,-0.789) ; U2700.R12@25.383,-3.52 25.373,-3.52 25.075,-3.223 25.034,-3.223 v1(25.025,-3.214) 25.025,-3.202 25.013,-3.189 25.013,-2.605 U2700.N12@25.392,-2.226 25.392,-1.043 25.361,-1.012 v1(25.361,-0.998) ; v1(25.392,-0.276) 25.392,-0.953 25.361,-0.984 v1(25.361,-0.998) ; U2700.H12@25.392,1.024 25.397,1.019 25.475,1.019 25.479,1.015 v1(26.012,1.015) ; 4.596,0.46 v1(4.596,0) U1000.J9@5.056,0 ; 4.596,0.46 4.596,0.919 ; 4.596,0.46 v1(5.056,0.46) ; 4.596,0.919 5.056,0.919 v1(5.056,0.46) ; v1(5.056,-1.379) 5.056,-0.919 ; v1(5.056,-1.379) 5.515,-1.379 U1000.H9@5.515,-0.46 ; 5.056,-0.919 v1(5.056,-0.46) ; 5.056,-0.919 v1(5.056,-0.46) ; 5.056,-0.919 v1(5.515,-0.919) U1000.H9@5.515,-0.46 ; v1(5.056,-0.46) U1000.J9@5.056,0 ; v1(5.056,-0.46) U1000.H9@5.515,-0.46 ; U1000.J9@5.056,0 v1(5.056,0.46) ; U1000.J9@5.056,0 5.515,0 U1000.H9@5.515,-0.46 ; v1(24.134,-0.789) 25.152,-0.789 v1(25.361,-0.998)
  L1_Sig w0.508: v2(27.564,-0.501) 27.594,-0.532 v2(27.594,-1.391) 27.59,-1.395 v2(27.59,-2.079) 27.59,-2.932 v2(27.6,-2.942)
  L6_Sig w0.254: v1(5.056,0.46) 5.542,0.946 R1100.2@6.151,0.946 ; C2710.2@15.05,1.7 15.09,1.74 15.24,1.74 v1(15.25,1.75) ; v1(15.758,-3.989) 16.216,-3.989 16.218,-3.987 C2721.2@16.218,-3.968 ; v1@20.5,-2.786 20.5,-2.549 C2701.2@20.892,-2.157 ; v1(23.467,-1.902) 23.467,-1.358 24.035,-0.789 v1(24.134,-0.789)
  other v1: 17.791,-12.021 13.058,-7.789 12.52,-3.892 18.192,-2.226 14.781,3.808 18.992,5.574 18.607,14.699 19.085,14.699 19.564,14.699 20.042,14.699 20.521,14.699 18.737,15.165 19.216,15.165 19.694,15.165 20.173,15.165
VCC_MIPI: C2801.1 C2802.1 J2800.22 JP2802.2 U2800.1 | length 31.5
  L6_Sig w0.254: -45.075,-5.725 -45.05,-5.75 JP2802.2@-43.003,-5.75
  L6_Sig w0.635: -45.075,-5.725 -47.5,-3.3 -47.5,11.5 -46.3,12.7 -45,12.7 -44.55,12.25 -44.05,12.25 ; -45.05,-5.75 -42.65,-8.15 C2801.1@-40.9,-8.15 -40.864,-8.114 -40.097,-8.114 -39.683,-7.7 U2800.1@-39.683,-7.192